# Altium PCB PCB2.PcbDoc (continued)
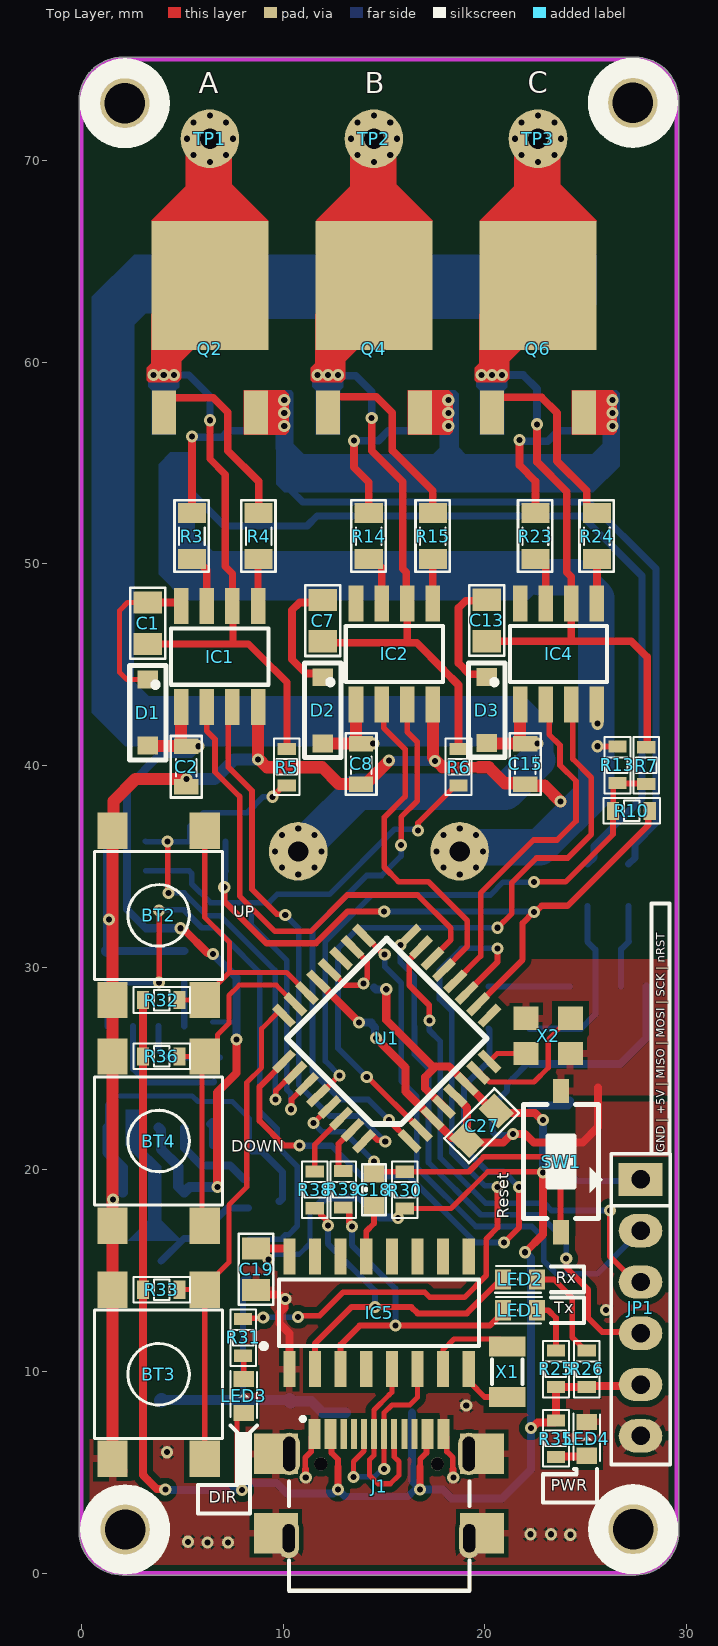
[diagram p0: Top Layer view]
## Nets (pads, with @x,y where several pads share a name; then routed paths per layer and width w, separated by ;. In a path a pad name is that pad's centre, name@x,y a point inside that pad or via, vN(x,y) a via of type N, cw(c..) or ccw(c..) an arc to the next point about the centre after c; other vN are vias at no path point) (continued)
GND: BT2.1 BT3.1 BT4.1 C2.1 C3.2 C4.2 C5.2 C8.1 C12.2 C15.1 C16.2 C19.2 C27.1 C29.1 C32.1 C33.2 C35.1 C36.2 C37.2 IC1.4 IC2.4 IC3.4 IC4.4 IC5.1 IC7.4 J1.A1/B12 J1.B1/A12 J1.S1 J1.S2 J1.S3 J1.S4 JP1.6 LED4.2 R2.2 R11.2 R12.2 R13.2 R18.2 R21.1 R37.1 SW1.2 TP5.1 U1.3 U1.5 U1.21 X2.2 X2.4 | length 201.5
  Top Layer w0.28: 11.099,5.15 11.099,5.721 11.394,6.016 11.394,6.725 J1.A1/B12 ; J1.B1/A12 18.114,6.725 18.114,6.016 18.409,5.721 18.409,5.15
  Top Layer w0.3: v1(25.574,40.964) 25.587,40.951 R13.2
  Top Layer w0.35: 11.099,5.15 11.099,4.766 v1(11.122,4.744) ; 18.409,5.15 18.409,4.766 v1(18.432,4.744)
  Top Layer w0.4: C19.2 8.877,13.811 9.823,13.811 10.052,13.583 v1(10.106,13.583) ; v1@10.068,13.49 10.068,13.152 9.814,12.898 9.814,12.365 10.309,11.87 IC5.1 ; U1.21 13.763,27.292 v1(13.763,27.273) ; v1(14.599,26.508) 16.062,25.045 16.062,23.862 U1.3 18.375,21.549 C27.1@19.003,21.549 ; U1.5 19.114,23.072 19.114,22.156 19.003,22.044 C27.1@19.003,21.549 ; C27.1 C27.1@19.003,21.549 ; C27.1@19.215,21.337 20.905,21.337 v1@21.329,21.762 ; v1(21.383,21.762) v1@21.329,21.762 ; SW1.2@23.746,23.865 SW1.2 ; 25.6,24.048 25.6,22.092 24.845,21.337 22.418,21.337 21.993,21.762 v1@21.329,21.762
  Top Layer w0.5: 17.909,39.923 19.717,39.923
  Top Layer w0.6: v1(1.368,32.379) v1@1.546,32.557 ; BT3.1@1.996,5.058 1.546,5.508 1.546,5.658 1.546,17.215 1.546,25.597 1.546,28.391 v1@1.546,32.557 ; v1(5.204,39.338) 2.689,39.338 1.597,38.246 1.597,36.824 1.546,36.773 v1@1.546,32.557 ; IC1.4 v1(8.76,40.304) 8.814,40.304 9.195,39.923 11.935,39.923 12.773,39.084 C8.1 14.084,39.084 v1@15.208,40.208 ; IC2.4 17.421,40.41 17.523,40.309 v1(17.523,40.227) 17.604,40.227 17.909,39.923 ; 19.717,39.923 20.19,39.923 20.984,39.129 21.949,39.129 22.069,39.008 22.958,39.008 v1(23.746,38.221)
  Bottom Layer w0.254: IC7.4 1.302,22.081 1.302,23.193 1.75,23.641 5.495,23.641 5.776,23.36 7.481,23.36 8.328,22.513 R37.1
  Bottom Layer w0.3: v1@17.51,40.24 v1(17.523,40.227) ; v1(21.383,21.762) 21.326,21.704 20.851,21.704 20.839,21.692 20.539,21.692 20.363,21.868 20.363,23.027 C16.2 20.365,23.175 21.097,23.907 21.097,24.221 21.365,24.489 21.365,24.493 22.097,25.225 C12.2 ; v1(23.746,38.221) 23.789,38.177 24.196,38.177 24.457,37.916
  Bottom Layer w0.35: R18.2 5.396,53.572 7.082,51.886 11.198,51.886 11.679,52.367 24.814,52.367 27.77,49.411 27.77,38.386 25.402,36.019 25.402,35.444 R21.1 ; R37.1 8.328,21.027 8.453,20.902 8.933,20.902 9.973,19.862 9.973,18.546 9.848,18.421 R2.2
  Bottom Layer w0.4: C37.2 1.299,30.823 C35.1 ; v1(13.763,27.273) 13.77,27.28 14.367,27.28 C29.1 ; C29.1@14.322,27.235 14.361,27.235 14.561,27.036 14.561,26.547 v1(14.599,26.508) ; C12.2 26.701,25.225 28.013,26.537 IC3.4
  Bottom Layer w0.5: IC7.4 1.292,20.847 2.054,20.085 C32.1 ; v1@15.237,40.24 v1@17.51,40.24
  Bottom Layer w0.6: C37.2 1.368,30.907 v1(1.368,32.379) 1.366,32.381 R11.2 ; v1(5.204,39.338) 6.608,39.338 7.573,40.304 v1(8.76,40.304)
  Bottom Layer w1.8: TP5.1 18.96,35.967 22.711,35.967 25.519,38.775 25.519,48.308 24.496,49.332 22.716,49.332 C4.2
  other v1: 6.245,1.524 7.261,1.524 5.28,1.549 24.228,1.899 22.247,1.924 23.263,1.924 4.238,5.988 4.238,5.988 19.072,8.3 26.006,13.024 1.571,18.51 18.75,34.614 17.942,34.949 19.558,34.949 17.607,35.757 19.893,35.757 17.942,36.565 19.558,36.565 18.75,36.9 15.237,40.253 25.574,42.082
LED_DIR: R31.2 U1.11 | length 36.2
  Top Layer w0.28: R31.2 8.062,12.626 8.971,12.626 v1(9.014,12.668) ; v1(10.741,12.694) 10.802,12.755 11.818,12.755 12.979,13.916 17.011,13.916 17.269,13.659 18.979,13.659 20.061,14.741 20.061,16.553 20.621,17.113 v1(20.621,19.12)
  Top Layer w0.3: U1.11 20.615,30.269 v1(20.615,30.95)
  Bottom Layer w0.28: v1(9.014,12.668) 9.026,12.681 10.728,12.681 v1(10.741,12.694) ; v1(20.615,30.95) 18.837,30.95 17.751,29.864 17.751,28.442 18.361,27.832 18.361,20.822 20.001,19.181 20.56,19.181 v1(20.621,19.12)
MCU_Rx: R38.1 U1.30 | length 3.2
  Top Layer w0.28: R38.1 11.571,21.225 U1.30
MCU_Tx: R39.2 U1.31 | length 2.5
  Top Layer w0.28: R39.2 12.906,19.92 12.746,20.08 12.746,21.268 U1.31
MISO: JP1.4 U1.16 | length 27.6
  Top Layer w0.28: v1(15.807,31.118) U1.16 ; v1(24.025,15.589) 24.026,15.132 25.117,14.04 25.117,12.643 25.814,11.946 27.643,11.946 JP1.4
  Bottom Layer w0.28: v1(15.807,31.118) 15.807,30.259 16.503,29.563 16.503,27.068 16.507,27.065 16.507,25.699 17.201,25.004 17.201,20.341 19.793,17.749 22.696,17.749 24.025,16.42 v1(24.025,15.589)
MOSI: JP1.3 U1.15 | length 25.1
  Top Layer w0.28: U1.15 16.832,30.966 16.253,30.386 16.253,29.122 17.243,28.131 v1(17.243,27.375) ; v1(26.199,17.966) 26.199,17.74 26.189,17.729 26.189,15.686 27.454,14.421 JP1.3
  Bottom Layer w0.28: v1(17.243,27.375) 17.243,26.892 17.781,26.355 17.781,20.582 20.033,18.329 22.936,18.329 23.299,17.966 v1(26.199,17.966)
NetC1_1: C1.1 D1.2 IC1.8 | length 7.9
  Top Layer w0.254: D1.2 2.257,44.266 1.902,44.622 1.902,47.695 2.292,48.085 C1.1
  Top Layer w0.381: C1.1 4.783,48.085 IC1.8
NetC7_1: C7.1 D2.2 IC2.8 | length 6.1
  Top Layer w0.381: D2.2 11.771,44.566 11.152,44.566 10.436,45.282 10.436,47.695 10.829,48.088 11.835,48.088 C7.1
NetC13_1: C13.1 D3.2 IC4.8 | length 6
  Top Layer w0.38: D3.2 19.952,44.529 19.231,44.529 18.691,45.069 18.691,47.822 19.041,48.172 20.038,48.172 C13.1
NetC14_1: C14.1 IC3.2 R21.2 R22.1 | length 9.1
  Bottom Layer w0.3: R22.1 24.76,26.967 25.473,27.68 IC3.2 25.473,30.887 C14.1 25.073,33.028 R21.2
NetC14_2: C14.2 IC3.3 R16.2 | length 4.1
  Bottom Layer w0.3: IC3.3 26.743,30.906 C14.2 27.114,31.296 R16.2
NetC16_1: C16.1 R17.2 U1.25 | length 31.2
  Top Layer w0.3: U1.25 10.044,25.306 8.836,24.098 8.836,22.397 10.055,21.177 v1(10.817,21.177) ; v1(20.952,16.377) 21.688,17.113 v1(21.688,19.12)
  Bottom Layer w0.3: v1(10.817,21.177) 10.823,21.172 12.398,21.172 13.929,19.64 16.247,19.64 19.511,16.377 v1(20.952,16.377) ; R17.2 20.215,26.937 C16.1 20.065,25.225 18.951,24.111 18.951,21.071 20.14,19.882 20.926,19.882 v1(21.688,19.12)
NetC18_2: C18.2 IC5.13 | length 2.7
  Top Layer w0.28: IC5.13 14.119,16.936 14.5,17.317 C18.2
NetC30_1: C30.1 IC7.3 L2.1 | length 5.4
  Bottom Layer w0.35: L2.1 5.084,16.583 5.74,16.583 7.242,18.085 C30.1@8.277,18.085
NetC30_2: C30.2 IC7.1 | length 4.7
  Bottom Layer w0.4: IC7.1 5.102,21.054 5.965,20.192 7.378,20.192 8.05,19.52 C30.2
NetC33_1: C33.1 D4.1 L2.2 R1.1 | length 15.7
  Bottom Layer w0.3: 8.023,8.579 8.023,14.525 8.173,14.675 R1.1
  Bottom Layer w0.5: L2.2@3.98,8.579 8.023,8.579 C33.1 ; C33.1@10.377,8.511 11.393,8.511 11.96,7.944 D4.1
  Bottom Layer w0.7: L2.2 L2.2@3.98,8.579 ; C33.1 C33.1@10.377,8.511
NetC34_1: C34.1 R37.2 | length 1.4
  Bottom Layer w0.35: C34.1@6.474,22.359 6.366,22.251 6.37,22.251 6.487,22.134 ; R37.2 R37.2@6.512,21.305 ; C34.1@6.512,22.159 R37.2@6.512,21.305 ; R37.2@6.576,21.241 R37.2@6.512,21.305
NetC34_2: C34.2 IC7.6 | length 6.4
  Bottom Layer w0.3: IC7.6 2.562,24.987 3.248,24.302 5.229,24.302 6.54,24.302 C34.2@6.582,24.343
NetC35_2: C35.2 IC7.8 | length 2.2
  Bottom Layer w0.3: IC7.8 C35.2
NetC36_1: C36.1 C37.1 IC7.5 R1.2 R2.1 | length 30.7
  Top Layer w0.28: v1@3.857,29.331 v1(3.857,32.836)
  Bottom Layer w0.28: v1(3.857,32.836) 3.883,32.861 5.077,32.861 5.967,31.971 6.628,31.971 7.269,31.329 8.836,29.763 8.836,22.879 9.699,22.016 9.699,21.152 10.701,20.15 10.701,17.196 10.26,16.755 10.101,16.755 10.01,16.665 10.01,16.535 8.322,16.535 R1.2
  Bottom Layer w0.3: IC7.5 1.288,27.095 1.288,29.257 C37.1 C36.1@2.714,29.261 ; C36.1 v1(3.857,29.261)
NetIC1_2: IC1.2 U1.14 | length 24.5
  Top Layer w0.28: IC1.2 6.22,41.719 6.626,41.313 6.626,39.694 7.845,38.475 7.845,33.547 9.598,31.795 11.376,31.795 13.179,33.598 16.659,33.598 18.31,31.947 18.31,31.379 17.398,30.467 U1.14
NetIC1_3: IC1.3 U1.32 | length 27.2
  Top Layer w0.28: IC1.3 7.282,42.691 7.282,39.929 8.455,38.756 8.455,33.877 9.686,32.646 10.067,32.646 v1(10.106,32.607) ; U1.32 14.322,21.713 14.407,21.713 14.678,21.442 14.998,21.442 v1(15.059,21.381)
  Bottom Layer w0.28: v1(10.106,32.607) 10.766,31.947 10.766,24.191 12.311,22.646 13.768,22.646 15.033,21.381 v1(15.059,21.381)
NetIC1_5: IC1.5 R4.2 | length 2.3
  Top Layer w0.35: IC1.5 8.76,50.21 R4.2
NetIC1_7: IC1.7 R3.2 | length 2.7
  Top Layer w0.381: R3.2 5.682,50.235 6.22,49.697 IC1.7
NetIC2_2: IC2.2 U1.13 | length 17.1
  Top Layer w0.28: IC2.2 14.981,42.926 14.981,41.88 16.043,40.818 16.043,38.476 15.008,37.441 15.008,34.97 15.719,34.258 17.192,34.258 19.123,32.328 19.123,31.039 U1.13
NetIC2_3: IC2.3 U1.1 | length 27.2
  Top Layer w0.28: v1(15.237,22.447) 15.237,22.436 16.266,21.406 U1.1 ; v1(15.846,36.062) 15.846,37.459 16.643,38.255 16.643,41.184 16.151,41.675 IC2.3
  Bottom Layer w0.28: v1(15.237,22.447) 14.221,23.463 12.824,23.463 11.452,24.835 11.452,31.871 14.144,34.563 14.881,34.563 15.846,35.528 v1(15.846,36.062)
NetIC2_5: IC2.5 R15.2 | length 2.2
  Top Layer w0.381: IC2.5 R15.2
NetIC2_7: IC2.7 R14.2 | length 2.6
  Top Layer w0.381: R14.2 14.445,50.235 14.881,49.799 IC2.7
NetIC3_1: IC3.1 R17.1 R22.2 | length 4
  Bottom Layer w0.3: R17.1 20.189,29.057 IC3.1
NetIC4_2: IC4.2 U1.12 | length 17.5
  Top Layer w0.28: U1.12 19.783,30.569 19.783,33.688 22.411,36.316 23.568,36.316 24.508,37.256 24.508,39.237 23.72,40.024 23.72,41.01 23.179,41.552 23.179,42.856 IC4.2
NetIC4_3: IC4.3 U1.2 | length 33.4
  Top Layer w0.28: v1(14.144,24.581) 14.178,24.581 16.798,21.961 U1.2 ; v1(20.621,31.972) 21.333,32.684 21.333,34.208 22.552,35.427 24.101,35.427 25.27,36.595 25.27,39.415 24.355,40.329 24.355,42.95 IC4.3
  Bottom Layer w0.28: v1(14.144,24.581) 13.35,25.375 12.722,26.003 12.722,30.956 13.738,31.972 v1(20.621,31.972)
NetIC4_5: IC4.5 R24.2 | length 2.2
  Top Layer w0.381: IC4.5 R24.2
NetIC4_7: IC4.7 R23.2 | length 2.5
  Top Layer w0.381: R23.2 22.7,50.235 23.009,49.926 IC4.7
NetIC5_2: IC5.2 LED2.2 R38.2 | length 18.2
  Top Layer w0.3: R38.2 11.721,18.072 11.871,17.922 11.871,17.752 12.157,17.466 12.157,17.272 v1(12.214,17.215) ; IC5.2 11.577,10.105 11.577,11.371 13.382,13.176 16.354,13.176 16.669,12.862 19.102,12.862 20.647,14.407 LED2.2@20.647,14.548
  Bottom Layer w0.3: v1(12.214,17.215) 12.214,16.326 14.551,13.989 v1(14.551,13.176)
NetIC5_3: IC5.3 LED1.2 R39.1 | length 17
  Top Layer w0.3: IC5.3 12.849,11.322 13.789,12.262 v1(15.567,12.262) 20.239,12.262 20.901,12.924 LED1.2 ; R39.1 13.126,18.104 13.276,17.954 13.276,17.377 13.408,17.245 v1(13.408,17.164)
  Bottom Layer w0.3: v1(13.408,17.164) 13.408,16.25 15.567,14.091 v1(15.567,12.262)
NetIC5_7: IC5.7 X1.2 | length 4.5
  Top Layer w0.254: IC5.7 17.929,11.063 18.465,11.599 20.731,11.599 X1.2
NetIC5_8: IC5.8 X1.1 | length 3
  Top Layer w0.254: IC5.8@19.199,9.341 19.285,9.427 IC5.8@19.306,9.448
  Top Layer w0.28: IC5.8 19.199,9.513 19.285,9.427 19.986,8.726 X1.1
NetIC7_7: IC7.7 R34.1 | length 4.4
  Bottom Layer w0.3: IC7.7 3.832,25.902 4.188,25.546 R34.1@6.878,25.546
NetLED1_1: LED1.1 R25.2 | length 3
  Top Layer w0.28: LED1.1@22.323,13.024 23.136,13.024 23.517,12.643 R25.2
NetLED2_1: LED2.1 R26.2 | length 5.3
  Top Layer w0.28: LED2.1@22.323,14.548 23.415,14.548 24.33,13.634 24.33,11.672 24.972,11.03 R26.2
NetLED3_2: LED3.2 R31.1 | length 1.2
  Top Layer w0.28: R31.1 8.046,10.742 LED3.2 LED3.2@8.091,9.659
NetLED4_1: LED4.1 R35.2 | length 2.1
  Top Layer w0.4: R35.2 23.667,5.747 R35.2@23.699,5.779 ; R35.2@23.619,5.81 23.65,5.779 R35.2@23.699,5.779 ; R35.2@23.767,5.847 R35.2@23.699,5.779 ; LED4.1@25.341,6.01 25.141,5.81 LED4.1 25.009,5.779 R35.2@23.699,5.779
NetQ1_1: Q1.1 R3.1 | length 7.8
  Top Layer w0.381: R3.1 v1(5.483,56.319)
  Bottom Layer w0.381: v1(5.483,56.319) 5.542,56.319 5.587,56.275 6.975,56.275 7.291,56.591 8.243,56.591 8.652,57 Q1.1
NetQ2_1: Q2.1 R4.1 | length 9.6
  Top Layer w0.381: Q2.1 4.092,57.827 4.502,58.236 6.538,58.236 7.261,57.513 7.261,55.606 8.785,54.082 R4.1
NetQ3_1: Q3.1 R14.1 | length 8
  Top Layer w0.381: v1(13.509,56.102) 13.509,54.784 14.246,54.047 R14.1
  Bottom Layer w0.381: v1(13.509,56.102) 14.726,56.102 15.214,56.591 16.371,56.591 16.78,57 Q3.1
NetQ4_1: Q4.1 R15.1 | length 9.9
  Top Layer w0.381: Q4.1 12.22,57.872 12.63,58.282 14.612,58.282 15.414,57.479 15.414,55.62 17.421,53.613 R15.1
NetQ5_1: Q5.1 R23.1 | length 8
  Top Layer w0.381: v1(21.714,56.132) 21.714,54.88 22.501,54.093 R23.1
  Bottom Layer w0.381: v1(21.714,56.132) 21.773,56.132 21.83,56.075 23.106,56.075 23.622,56.591 24.499,56.591 24.908,57 Q5.1
NetQ6_1: Q6.1 R24.1 | length 9.9
  Top Layer w0.381: Q6.1 20.348,57.84 20.758,58.25 22.798,58.25 23.568,57.479 23.568,55.094 25.041,53.62 25.041,52.831 25.351,52.521 R24.1
NetR5_2: R5.2 R8.2 R11.1 U1.26 | length 26.2
  Top Layer w0.28: v1(4.27,36.24) 4.292,36.218 4.292,33.722 v1(4.315,33.7) ; v1@9.471,38.449 v1(9.471,38.46) 10.032,39.021 R5.2 ; v1(9.623,23.463) 9.639,23.479 9.639,23.906 10.089,24.356 10.092,24.356 10.525,24.789 U1.26
  Bottom Layer w0.28: R11.1 3.205,36.24 v1(4.27,36.24) R8.2 ; v1(4.315,33.7) 5.095,33.7 6.233,32.561 6.901,32.561 9.606,29.856 9.606,23.48 v1(9.623,23.463) ; R8.2@5.359,36.263 5.381,36.286 5.381,37.002 6.053,37.673 8.222,37.673 9.009,38.46 v1(9.471,38.46)
NetR6_2: R6.2 R9.2 R12.1 U1.27 | length 31.7
  Top Layer w0.28: v1(10.385,22.981) 10.419,23.014 10.419,23.467 U1.27 ; v1(16.684,36.798) 16.684,37.164 18.541,39.021 R6.2
  Bottom Layer w0.28: R12.1 R9.2 5.475,34.66 5.475,34.139 6.397,33.217 8.429,33.217 9.299,33.217 9.705,33.623 12.291,33.623 15.519,36.852 16.631,36.852 v1(16.684,36.798) ; 8.429,33.141 8.429,32.099 10.186,30.343 10.186,23.947 10.385,23.748 v1(10.385,22.981)
NetR7_2: R7.2 R10.2 R13.1 U1.28 | length 28.9
  Top Layer w0.28: U1.28 11.77,23.658 12.769,24.657 v1(12.798,24.657) ; v1(22.425,34.233) 22.438,34.246 23.987,34.246 26.342,36.6 26.342,37.606 26.349,37.613 26.349,38.975 26.509,39.135 R13.1 26.584,39.116 27.969,39.116 R7.2
  Bottom Layer w0.28: v1(12.798,24.657) 12.092,25.363 12.092,31.292 14.398,33.598 20.266,33.598 20.901,34.233 v1(22.425,34.233)
NetR8_1: R8.1 R9.1 R10.1 U1.10 | length 33.9
  Top Layer w0.3: v1@7.083,34.113 7.083,33.293 9.172,31.205 11.624,31.205 13.199,32.779 15.002,32.779 v1(15.008,32.785) ; U1.10 21.866,30.389 21.866,32.201 v1(22.425,32.76) 22.506,32.76 22.808,33.061 24.098,33.061 28.09,37.053 28.09,37.688 R10.1
  Bottom Layer w0.3: v1(7.083,33.979) 7.121,34.017 7.121,34.754 R9.1 ; R9.1@7.151,34.792 R8.1 ; v1(15.008,32.785) 15.021,32.773 22.412,32.773 v1(22.425,32.76)
NetU1_7: U1.7 X2.3 | length 6.9
  Top Layer w0.254: U1.7 19.764,24.789 20.226,24.327 22.428,24.327 23.136,25.034 23.136,26.438 23.184,26.486 23.184,26.49 23.434,26.74 23.438,26.74 24.186,27.488 X2.3
NetU1_8: U1.8 X2.1 | length 2.1
  Top Layer w0.254: U1.8 20.61,25.738 X2.1
  Top Layer w0.3: U1.8@20.198,25.453 20.198,25.383 U1.8
nRST: C18.1 JP1.1 R30.1 SW1.1 U1.29 | length 22.7
  Top Layer w0.28: v1(11.503,22.295) 11.506,22.295 12.303,23.092 U1.29 ; C18.1 14.589,19.882 R30.1 19.194,19.882 19.93,20.619 23.333,20.619 23.623,20.329 v1(23.71,20.329) 23.74,20.298 23.74,16.921 SW1.1 ; JP1.1@27.454,19.501 JP1.1
  Bottom Layer w0.28: v1(11.503,22.295) 11.93,21.867 13.023,21.867 v1(14.5,20.39) ; v1(23.71,20.329) 24.614,19.425 27.632,19.425 JP1.1
P_GND: Q2.3 Q4.3 Q6.3 R16.1 R18.1 | length 35.4
  Bottom Layer w0.35: R18.1 10.396,53.642 10.971,53.067 25.161,53.067 28.47,49.758 28.47,37.154 27.427,36.111 27.427,35.436 R16.1
  other v1: 10.055,56.839 18.183,56.839 26.311,56.839 10.055,57.474 18.183,57.474 26.311,57.474 10.055,58.109 18.183,58.109 26.311,58.109
PHASE-A: C1.2 IC1.6 Q1.3 Q2.2 R5.1 TP1.1 | length 33.1
  Top Layer w0.35: C1.2 7.515,46.035 8.286,46.035 8.785,45.536 10.182,44.139 R5.1@10.182,40.964 ; v1(6.372,57.115) 6.372,55.188 7.134,54.426 7.134,49.868 7.49,49.512 IC1.6 7.515,47.894 7.515,46.044 7.506,46.035
  Top Layer w1: v1(6.372,69.92) TP1.1
  Top Layer w2: Q2.2 v1(6.372,69.92)
  Bottom Layer w0.35: v1(4.594,59.354) 5.325,59.354 6.372,58.307 v1(6.372,57.115)
  other v1: 3.578,59.354 4.086,59.354 5.564,70.255 7.18,70.255 5.229,71.063 7.515,71.063 5.564,71.871 7.18,71.871 6.372,72.206
PHASE-B: C7.2 IC2.6 Q3.3 Q4.2 R6.1 TP2.1 | length 25.8
  Top Layer w0.381: C7.2 12.032,46.09 16.151,46.09 16.613,46.09 17.961,44.743 17.961,44.731 18.691,44.001 R6.1 ; v1(14.39,57.237) 14.39,55.611 15.929,54.071 15.929,49.761 16.101,49.589 16.101,48.096 IC2.6 16.151,46.234
  Bottom Layer w0.381: v1(12.722,59.354) 12.755,59.32 13.594,59.32 14.39,58.524 v1(14.39,57.237)
  other v1: 11.706,59.354 12.214,59.354 14.5,69.92 13.692,70.255 15.308,70.255 13.357,71.063 15.643,71.063 13.692,71.871 15.308,71.871 14.5,72.206
PHASE-C: C13.2 IC4.6 Q5.3 Q6.2 R7.1 TP3.1 | length 28
  Top Layer w0.381: C13.2 24.279,46.171 ; v1(22.577,56.915) 22.577,55.05 24.048,53.579 24.048,49.587 24.279,49.356 IC4.6 24.279,46.171 ; R7.1@28.038,40.848 28.038,45.384 27.251,46.171 24.279,46.171
  Bottom Layer w0.381: v1(20.85,59.354) 21.891,59.354 22.577,58.668 v1(22.577,56.915)
  other v1: 19.834,59.354 20.342,59.354 22.628,69.92 21.82,70.255 23.436,70.255 21.485,71.063 23.771,71.063 21.82,71.871 23.436,71.871 22.628,72.206
SCK: JP1.2 U1.17 | length 27.4
  Top Layer w0.28: U1.17 14.056,31.577 14.981,30.652 v1(15.033,30.652)
  Bottom Layer w0.28: v1(15.033,30.652) 15.033,30.047 15.85,29.231 15.85,24.38 16.621,23.609 16.621,20.101 19.553,17.169 22.318,17.169 22.912,16.575 22.912,15.457 23.542,14.827 25.574,14.827 JP1.2
UP: BT3.2 R33.1 U1.24 | length 25.2
  Top Layer w0.254: R33.1 BT3.2@6.118,14.04 ; BT3.2@6.118,5.658 BT3.2@6.118,14.04 ; U1.24 9.867,27.795 9.763,27.795 8.937,26.969 8.937,25.04 8.201,24.304 8.201,19.123 7.312,18.234 7.312,15.384 6.118,14.19 BT3.2@6.118,14.04
USB_N: IC5.6 J1.A7 J1.B7 | length 10.2
  Top Layer w0.254: v1(13.484,4.769) 13.484,5.531 14.004,6.051 J1.B7 ; v1(15.008,5.15) 15.004,5.154 J1.A7 15.004,7.94 15.389,8.325 16.278,8.325 16.659,8.706 IC5.6
  Bottom Layer w0.254: v1(13.484,4.769) 14.533,4.769 14.914,5.15 v1(15.008,5.15)
USB_P: IC5.5 J1.A6 J1.B6 | length 9.4
  Top Layer w0.254: IC5.5@15.389,9.722 15.389,8.96 15.262,8.833 15.255,8.833 14.504,8.082 J1.A6 14.504,5.838 14.281,5.615 14.281,4.849 14.707,4.423 15.309,4.423 15.735,4.849 15.735,5.523 15.504,5.754 J1.B6 ; IC5.5 IC5.5@15.504,9.988
VCC: C2.2 C3.1 C4.1 C5.1 C8.2 C15.2 C32.2 D1.1 D2.1 D3.1 IC1.1 IC2.1 IC4.1 IC7.2 Q1.2 Q3.2 Q5.2 R34.2 TP4.1 | length 63.9
  Top Layer w0.4: v1(4.924,31.947) 4.978,31.947 5.078,31.847 5.126,31.847 6.258,30.715 6.432,30.715 v1@6.432,30.677 ; v1(6.753,19.12) 6.73,19.143 6.73,23.804 7.693,24.767 v1@7.693,26.38
  Top Layer w0.6: D1.1 3.315,40.98 C2.2@5.015,40.98 ; IC1.1 4.95,41.045 C2.2@5.015,40.98 ; C2.2 5.031,40.964 C2.2@5.015,40.98 ; D2.1 11.968,41.099 C8.2@13.684,41.099 ; IC2.1 13.611,41.172 C8.2@13.684,41.099 ; C8.2 13.692,41.091 C8.2@13.684,41.099 ; D3.1 20.104,41.107 C15.2@21.804,41.107 ; IC4.1 21.739,41.172 C15.2@21.804,41.107 ; C15.2 21.82,41.091 C15.2@21.804,41.107
  Bottom Layer w0.254: R34.2 7.693,27.299 7.695,27.301 7.718,27.324
  Bottom Layer w0.4: C5.1@4.873,40.964 v1(5.804,40.964) 5.423,40.583 3.934,40.583 2.256,38.906 2.256,32.888 3.197,31.947 v1(4.924,31.947) ; v1@6.55,30.652 7.695,29.507 7.695,27.301 v1(7.695,26.435)
  Bottom Layer w0.5: IC7.2 3.942,21.961 3.942,21.01 4.803,20.149 4.803,19.165 C32.2 5.356,19.12 v1(6.753,19.12)
  Bottom Layer w0.6: v1(9.607,35.757) TP4.1 v1(10.75,34.614)
  Bottom Layer w1.6: 22.593,40.285 v1(22.593,41.091)
  Bottom Layer w1.8: TP4.1 v1(11.558,36.565) 13.696,38.703 21.011,38.703 22.593,40.285
  other v1: 6.524,30.677 9.942,34.949 11.558,34.949 11.893,35.757 9.942,36.565 10.75,36.9 14.465,41.091
pads on no net: IC3.5 IC3.6 IC3.7 IC5.4 IC5.9 IC5.10 IC5.11 IC5.12 IC5.14 IC5.15 J1. J1.A5 J1.A8 J1.B5 J1.B8 U1.9 U1.19

## Polygon pours and split planes (outlines as drawn)
GND on Top Layer "GND_L01_P001" (solid, remove dead copper, pour order 1): 8.02,6.62 8.02,16.694 24.487,16.694 24.487,23.352 29.662,23.352 29.662,2.104 cw(c27.52,2.104) 27.52,-0.038 1.892,-0.038 cw(c1.892,1.892) -0.039,1.892 -0.039,6.62
GND on Top Layer "GND_L01_P000" (solid, pour order 0): 20.262,30.423 29.5,30.423 29.5,23.667 20.262,23.667
GND on Bottom Layer "GND_L02_P002" (solid, remove dead copper, pour order 2): 8.02,6.62 8.02,16.694 24.487,16.694 24.487,23.352 29.662,23.352 29.662,2.104 cw(c27.52,2.104) 27.52,-0.038 1.892,-0.038 cw(c1.892,1.892) -0.039,1.892 -0.039,6.62

## Keep-outs
Keep-Out Layer:
  lines w0.2: 0,2.042 ccw(c2.042,2.042) 2.042,0 27.458,0 ccw(c27.458,2.042) 29.5,2.042 29.5,72.958 ccw(c27.458,72.958) 27.458,75 2.042,75 ccw(c2.042,72.958) 0,72.958 0,2.042

## Other copper
Top Layer:
  region net PHASE-B: 11.638,67.016 12.773,65.881 16.303,65.881 17.417,67 15.615,68.802 15.615,70.301 14.853,71.063 14.147,71.063 13.327,70.243 13.327,68.704
  region net PHASE-C: 19.605,58.998 21.028,58.998 21.206,59.176 21.206,60.048 22.628,61.471 22.628,63.8 21.165,63.8 19.728,62.364 19.728,59.933 19.504,59.709 19.504,59.1
  region net PHASE-B: 11.477,58.998 12.9,58.998 13.078,59.176 13.078,60.048 14.5,61.471 14.5,63.8 13.037,63.8 11.6,62.364 11.6,59.933 11.376,59.709 11.376,59.1
  region net PHASE-C: 19.758,67 20.724,66.034 24.584,66.034 25.545,67 23.743,68.802 23.743,70.301 22.981,71.063 22.275,71.063 21.455,70.243 21.455,68.704 19.751,67
  region net PHASE-A: 3.472,67 5.176,68.704 5.176,70.243 5.997,71.063 6.702,71.063 7.464,70.301 7.464,68.802 9.267,67
  region net PHASE-A: 3.349,58.998 4.772,58.998 4.95,59.176 4.95,60.048 6.372,61.471 6.372,63.8 4.909,63.8 3.472,62.364 3.472,59.933 3.248,59.709 3.248,59.1
  region net P_GND: 24.308,58.6 26.328,58.6 26.53,58.398 26.53,56.55 26.38,56.4 24.308,56.4
  region net P_GND: 16.18,58.6 18.2,58.6 18.402,58.398 18.402,56.55 18.252,56.4 16.18,56.4
  region net P_GND: 8.052,58.6 10.072,58.6 10.274,58.398 10.274,56.55 10.124,56.4 8.052,56.4
Bottom Layer:
  region net GND: 23.356,49.442 22.182,50.616 6.51,50.616 5.62,51.506 5.62,55.298 5.396,55.522 4.42,55.522 3.832,54.934 3.832,49.485 5.114,48.203 22.117,48.203
  region net NetC30_1: 2.922,22.961 2.922,21.181 3.959,20.144 3.959,17.469 4.975,16.453 2.308,16.453 3.324,17.469 3.324,20.059 2.202,21.181 2.202,22.961
  region net VCC: 3.472,62.427 3.197,62.427 2.613,61.843 2.613,46.479 0.53,48.561 0.53,63.24 2.613,65.323 3.472,65.319
  region net VCC: 25.528,65.313 3.472,65.313 3.472,62.146 24.831,62.146 25.528,62.843
  region net VCC: 23.349,42.069 21.965,43.453 3.337,43.453 2.599,44.192 2.599,48.863 0.53,48.863 0.53,42.615 2.181,40.964 22.244,40.964
  region net PHASE-C: 19.58,59.506 19.707,59.633 20.977,59.633 21.104,59.506 21.104,58.756 20.948,58.6 20.948,56.4 19.748,56.4 19.748,58.6 19.58,58.768
  region net PHASE-B: 11.452,59.506 11.579,59.633 12.849,59.633 12.976,59.506 12.976,58.756 12.82,58.6 12.82,56.4 11.62,56.4 11.62,58.6 11.452,58.768
  region net P_GND: 9.649,55.95 10.512,55.95 11.02,55.442 25.32,55.442 25.955,56.077 26.667,56.077 26.667,54.832 25.371,53.537 10.055,53.537 9.649,53.943
  region net P_GND: 25.938,58.6 25.828,58.49 25.828,55.95 26.108,55.671 26.26,55.671 26.667,56.077 26.667,58.465 26.531,58.6
  region net P_GND: 18.691,55.772 19.047,55.417 19.047,55.061 18.92,54.934 17.548,54.934 17.421,55.061 17.421,55.417 17.751,55.747 17.751,58.414 17.937,58.6 18.53,58.6 18.691,58.439
  region net P_GND: 9.809,58.6 9.642,58.433 9.642,55.671 10.512,55.671 10.512,58.49 10.402,58.6
  region net PHASE-A: 3.324,59.506 3.451,59.633 4.721,59.633 4.848,59.506 4.848,58.756 4.692,58.6 4.692,56.4 3.492,56.4 3.492,58.6 3.324,58.768

## Silkscreen, mask and mechanical layers (free items; w line width, h text height)
Top Overlay:
  circle w1: c27.341,2.173 r1.727
  circle w1: c2.173,2.159 r1.727
  circle w1: c2.159,72.827 r1.727
  circle w1: c27.327,72.841 r1.727
  rectangle: 7.718,4.363 8.353,6.953
  rectangle: 7.718,6.953 8.353,6.979
  lines w0.2: 7.388,7.309 7.718,6.979 7.718,4.363 5.788,4.363 5.788,2.94 8.353,2.94 8.353,6.953 8.709,7.309 ; 23.263,12.389 24.914,12.389 24.914,13.659 23.263,13.659 ; 23.263,13.913 24.914,13.913 24.914,15.183 23.263,15.183 ; 24.406,5.15 24.533,5.15 24.533,4.896 22.882,4.896 22.882,3.499 25.549,3.499 25.549,5.15 ; 28.26,20.796 28.26,33.166 29.133,33.166 29.133,20.822
  text "C" at 22.118,72.989 h1.8
  text "A" at 5.816,72.976 h1.8
  text "B" at 14.033,72.976 h1.8
  text "UP" at 7.54,32.299 h1
  text "GND | +5V | MISO | MOSI | SCK | nRST" at 29.054,20.847 h0.7 r90
  text "DOWN" at 7.439,20.666 h1
  text "Reset" at 21.383,17.545 h1 r90
  text "Rx" at 23.518,14.156 h1
  text "Tx" at 23.442,12.683 h1
  text "PWR" at 23.263,3.876 h1
  text "DIR" at 6.321,3.285 h1
Bottom Overlay:
  drawing of 5 lines, arcs and shapes, not listed
  text "-" at 19.745,31.035 h3 r90
  text "+" at 11.764,30.883 h3 r90
  text "BLDC Controller" at 26.235,10.987 h1.4
  text "Version 1.0" at 26.158,10.177 h0.7
Top Solder:
  circle w0.6: c25.773,28.727 r0.3
  lines w2: 6.349,63.972 6.349,71.063 ; 14.5,63.972 14.5,71.063 ; 22.628,63.972 22.628,71.063
Bottom Solder:
  lines w0.8: 10.055,58.109 10.055,56.839 10.055,54.546 10.213,54.388 ; 18.183,54.388 18.183,56.839 18.183,58.109 ; 26.118,55.351 26.273,55.505 26.273,58.109
  lines w1: 5.207,49.442 22.606,49.465 ; 5.225,52.822 5.229,49.892
  lines w1.2: 5.207,42.076 5.191,42.06 ; 6.372,63.8 2.919,63.8 1.622,62.503 1.622,43.507 3.07,42.06 5.191,42.06 ; 22.606,42.076 5.191,42.06 ; 25.155,54.388 26.118,55.351
  lines w1.3: 10.213,54.388 17.764,54.388 25.155,54.388
Mechanical 15:
  lines w0.2: -6.785,0 36.014,0 ; -1.676,75 34.874,75 ; 0,-1.618 0,77.96 ; 29.5,-2.445 29.5,77.134

## Text inside footprints (layer, text, board x,y; h text height)
C3: Bottom Overlay "+" at 14.765,42.438 h0.89 r270
C4: Bottom Overlay "+" at 23.506,42.407 h0.89 r270
C5: Bottom Overlay "+" at 6.107,42.407 h0.89 r270